# Altium PCB SensoMonitor.PcbDoc
Units mm, origin at the board's own origin, x right, y up, seen from the top; angles counter-clockwise.
Board outline 135 x 78 mm, 2 copper layers (Top Layer, Bottom Layer); 121 components, 76 nets, 476 pads, 31 vias.
Unrouted connection lines stored in the file: 21.
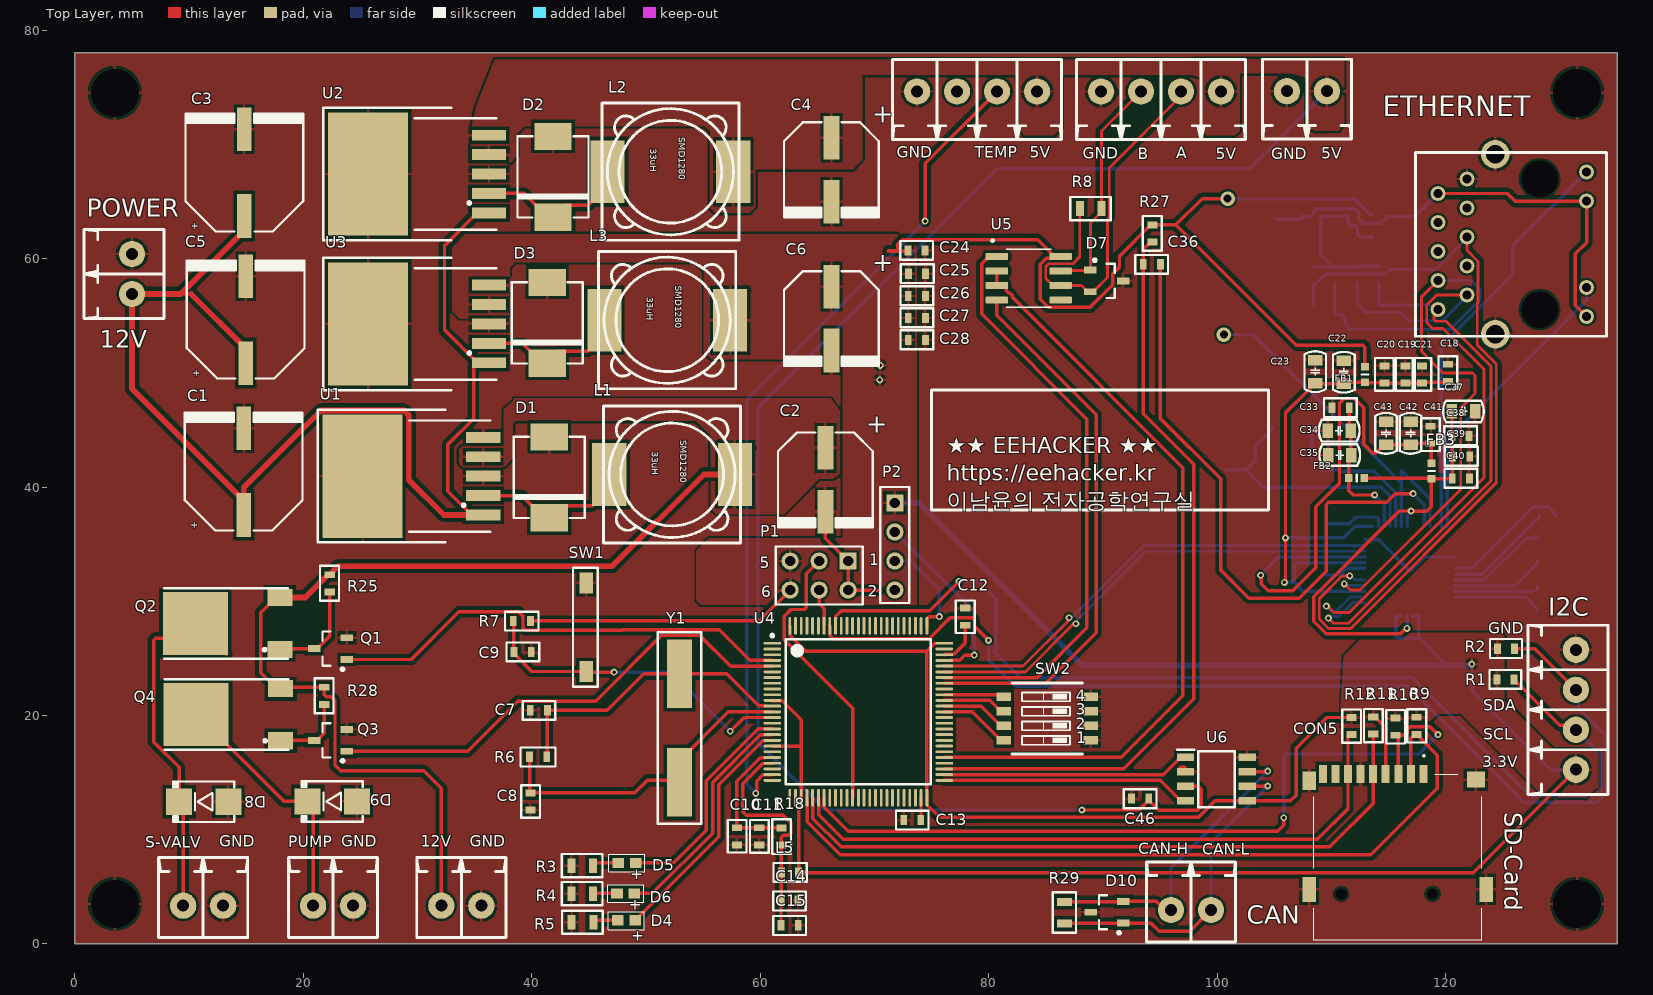
[diagram p0: Top Layer view]
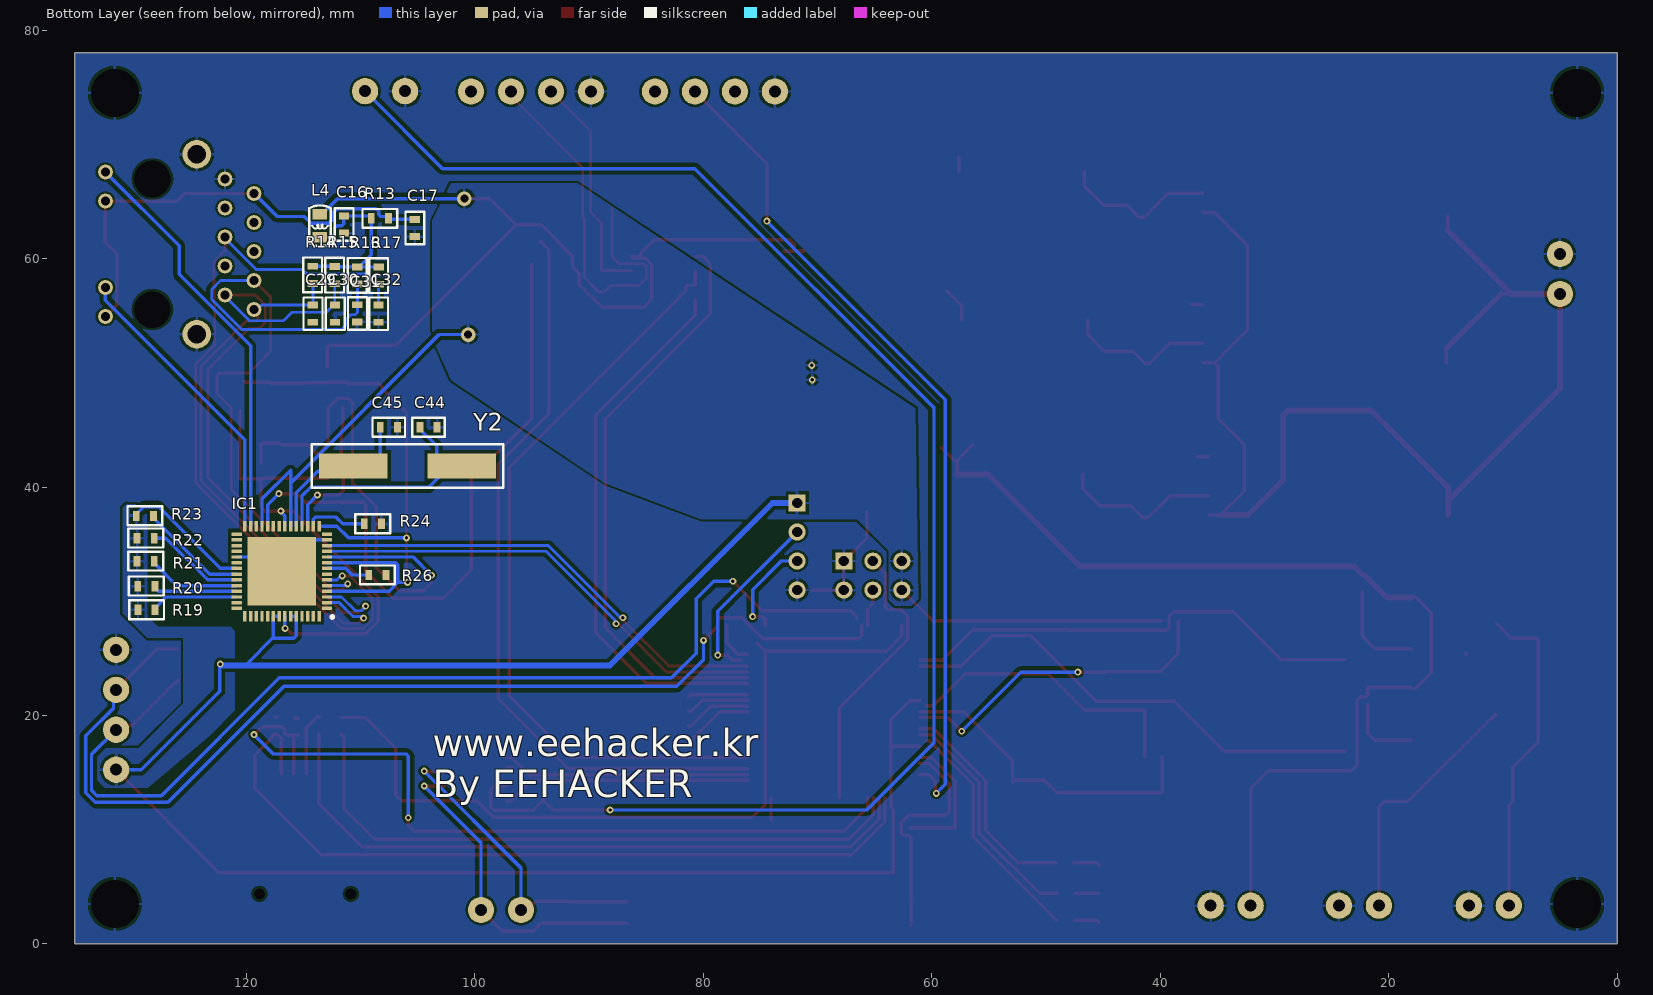
[diagram p1: Bottom Layer view, seen from below]
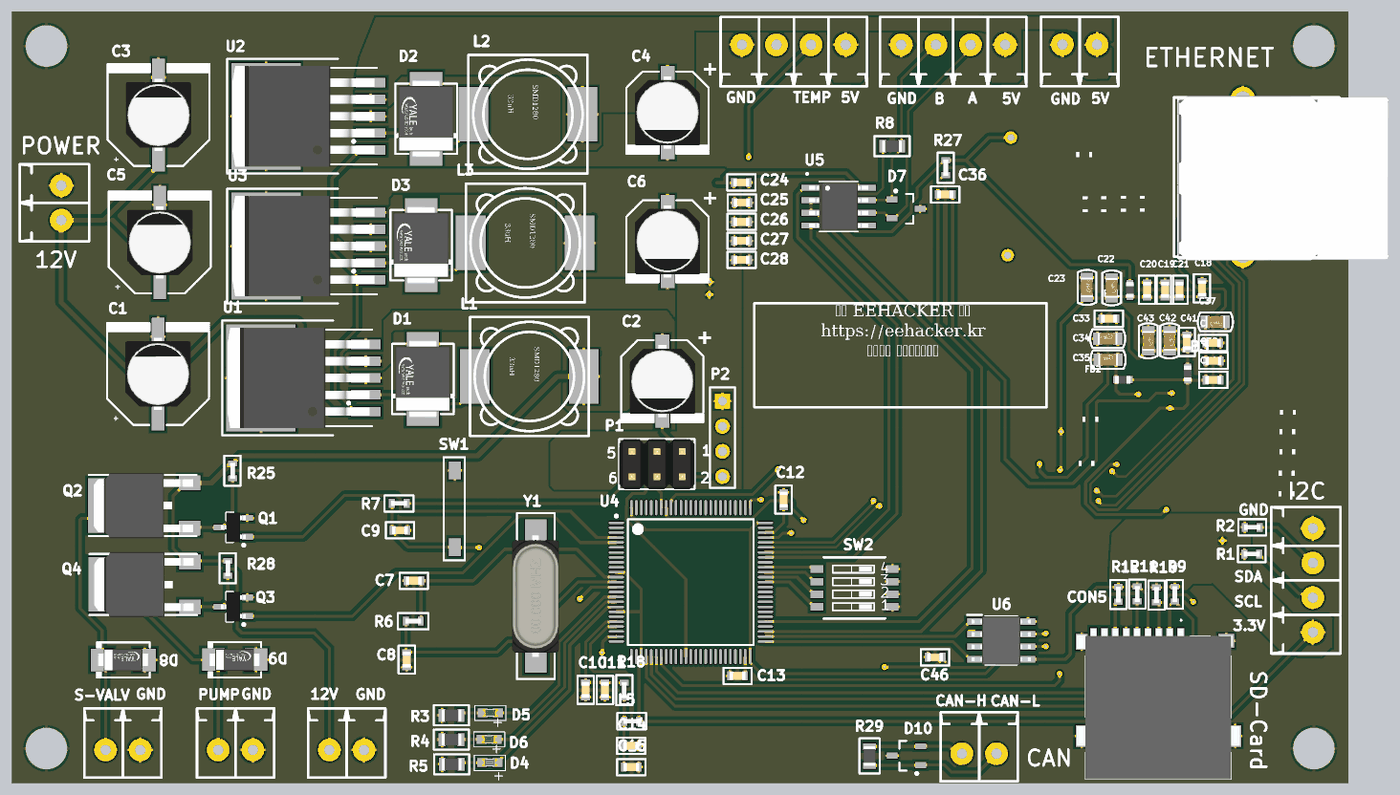
[diagram p2: 3D render of the assembled board from above, using the file's embedded part models]
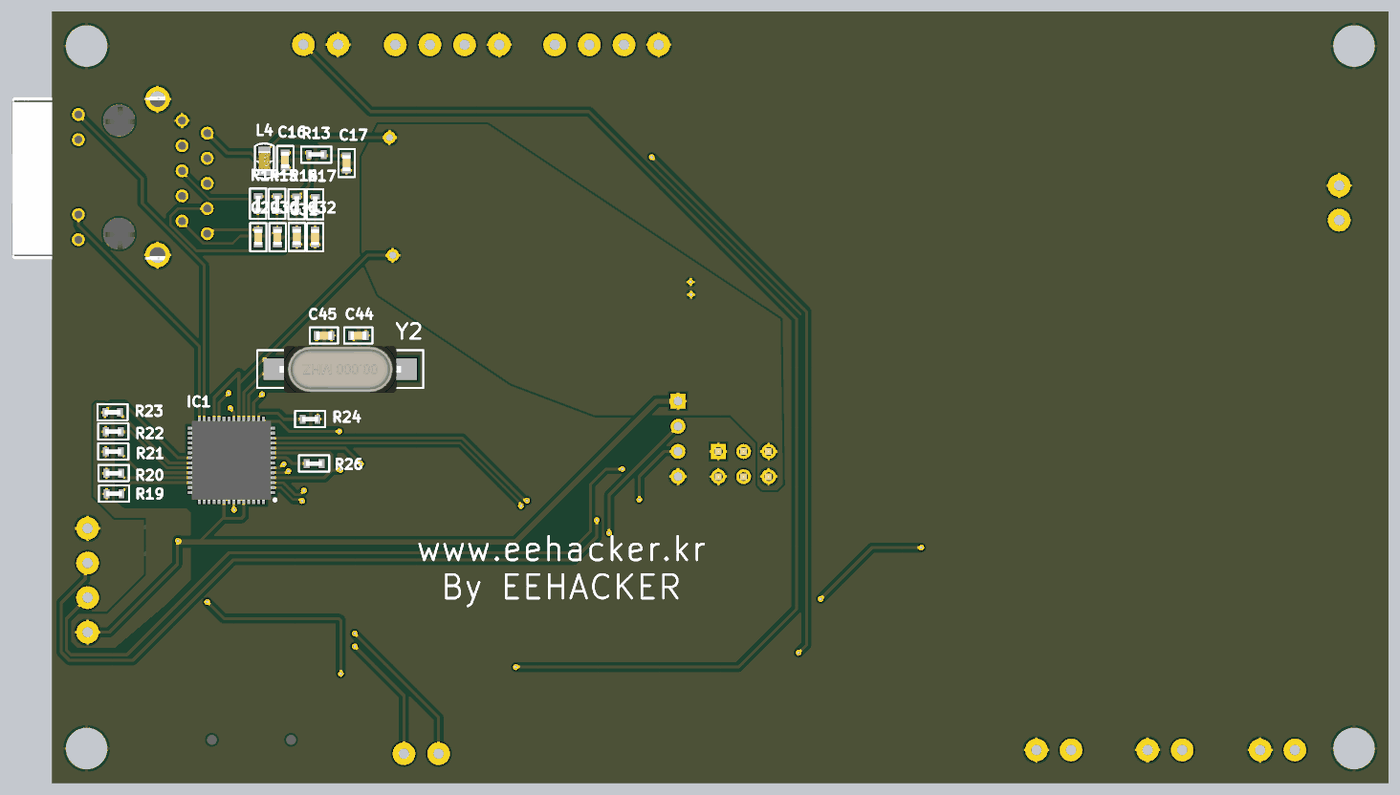
[diagram p3: 3D render of the assembled board from below, using the file's embedded part models]

## Layer stack, top to bottom
Top Solder: solder mask 0.0102, Solder Resist, Dk 3.5
Top Layer: signal copper 0.0356
Dielectric 1: dielectric 0.32, FR-4, Dk 4.8
Bottom Layer: signal copper 0.0356
Bottom Solder: solder mask 0.0102, Solder Resist, Dk 3.5

## Board outline
0,0 135,0 135,78 0,78

## Design rules (kind name [scope] priority, off if disabled: settings)
AssemblyTestPointUsage [All] p1 off:
AssemblyTestpoint [All] p1 off: testpointundercomponent=TRUE minsize=1.016 maxsize=2.54 preferedsize=1.524 minholesize=0 maxholesize=1.016 preferedholesize=0.813 testpointgrid=0.025 usegrid=TRUE gridtolerance=0 allowsidetop=TRUE allowsidebottom=TRUE
Clearance [All] p1: gap=0.2 ignorepadtopadclearanceinfootprint=FALSE except(0: Arc-Hole Track-Hole SMDPad-Hole THPad-Hole Via-Hole Fill-Hole Poly-Hole Region-Hole Text-Hole; 0.3: SMDPad-Fill SMDPad-Poly SMDPad-Region; 0.35: Arc-Fill Arc-Poly Arc-Region Track-Fill Track-Poly Track-Region)
DiffPairsRouting [All] p1: maxlimit=0.254 minlimit=0.12 mostfreqgap=0.12 toplayer_minwidth=0.25 toplayer_maxwidth=0.25 toplayer_prefwidth=0.25 bottomlayer_minwidth=0.25 bottomlayer_maxwidth=0.25 bottomlayer_prefwidth=0.25 maxuncoupledlength=1
FabricationTestPointUsage [All] p1 off: valid=0 allowmultiple=FALSE
FabricationTestpoint [All] p1 off: side=3 testpointundercomponent=TRUE minsize=1.016 maxsize=2.54 preferedsize=1.524 minholesize=0 maxholesize=1.016 preferedholesize=0.813 testpointgrid=0.025 allowsidetop=TRUE allowsidebottom=TRUE usegrid=TRUE gridtolerance=0
PolygonConnect [All] p1: connectstyle=Relief reliefconductorwidth=0.254 reliefentries=4 polygonreliefangle="90 Angle" airgapwidth=0.254
RoutingVias [All] p1: holewidth=0.3 width=0.6 viastyle="Through Hole" minholewidth=0.25 minwidth=0.5 maxholewidth=0.8 maxwidth=1.27
SolderMaskExpansion [All] p1: expansion=0.102 istentingtop=FALSE
Width [All] p1: maxlimit=0.5 minlimit=0.25 preferedwidth=0.3
25 further rules are at their usual default settings.

## Classes and differential pairs
differential pair class ETH: RD TD
net class ETH_IO: RD_N RD_P TD_N TD_P
component class Power: 5V 12V C1 C2 C3 C4 C5 C6 D1 D2 D3 L1 L2 L3 POWER U1 U2 U3
component class MCU: C7 C8 C9 C10 C11 C12 C13 C14 C15 D4 D5 D6 L5 P1 P2 R1 R2 R3 R4 R5 R6 R7 R18 SW1 U4 Y1
component class GPIO_COMM: C46 CON5 D7 D8 D9 D10 Q1 Q2 Q3 Q4 R8 R9 R10 R11 R12 R25 R28 R29 SW2 U5 U6
component class ETHERNET: C16 C17 C18 C19 C20 C21 C22 C23 C24 C25 C26 C27 C28 C29 C30 C31 C32 C33 C34 C35 C36 C37 C38 C39 C40 C41 C42 C43 C44 C45 ETHERNET FB1 FB2 FB3 IC1 L4 R13 R14 R15 R16 R17 R19 R20 R21 R22 R23 R24 R26 R27
differential pair USB: +USB_P -USB_N
differential pair TD: +TD_P -TD_N
differential pair RS485: +RS485_P -RS485_N
differential pair RD: +RD_P -RD_N

## Components (designator, comment, footprint, x,y, rotation, side; value= is the part's Value field where it differs from the comment)
5V "ECH350V_2P" CON2P_ECH350V 106.1,74.65 r180 top (schematic designator CON9)
12V "ECH350V_2P" CON2P_ECH350V 35.575,3.35 r0 top (schematic designator CON10)
C1 "470uF / 25V" CAP470U_25V 14.775,41.35 r180 top value="220uF/35V SMD_D8"
C2 "470uF / 16V" CAP470U_16V 65.7,40.625 r0 top value="220uF/35V SMD_D8"
C3 "470uF / 25V" CAP470U_25V 14.825,67.525 r180 top value="220uF/35V SMD_D8"
C4 "470uF / 16V" CAP470U_16V 66.225,67.775 r0 top value="220uF/35V SMD_D8"
C5 "470uF / 25V" CAP470U_25V 14.95,54.65 r180 top value="220uF/35V SMD_D8"
C6 "470uF / 16V" CAP470U_16V 66.225,54.75 r0 top value="220uF/35V SMD_D8"
C7 "cap 22p 0603 ceramic" CAP22p_0603_ceramic 40.615,20.46 r0 top
C8 "cap 22p 0603 ceramic" CAP22p_0603_ceramic 39.875,12.475 r90 top
C9 "cap, 0.1u 0603" CAP0.1u_0603_ceramic 39.2,25.55 r180 top
C10 "1u, 0603, ceramic" CAP1u_0603_ceramic 57.95,9.425 r90 top
C11 "cap, 0.1u 0603" CAP0.1u_0603_ceramic 59.9,9.425 r90 top
C12 "2.2u" CAP2.2U_0603 77.95,28.65 r270 top
C13 "2.2u" CAP2.2U_0603 73.3,10.85 r0 top
C14 "1u, 0603, ceramic" CAP1u_0603_ceramic 62.55,3.775 r0 top
C15 "cap, 0.1u 0603" CAP0.1u_0603_ceramic 62.575,1.625 r0 top
C16 "4.7uF" CAP2.2U_0603 111.45,62.975 r90 bottom
C17 "22nF" CAP2.2U_0603 105.25,62.675 r90 bottom
C18 "0.1uF/50V" CAP0.1u_0603_ceramic 120.2,50 r270 top
C19 "0.1uF/50V" CAP0.1u_0603_ceramic 116.475,49.85 r270 top
C20 "0.1uF/50V" CAP0.1u_0603_ceramic 114.65,49.85 r270 top
C21 "0.1uF/50V" CAP0.1u_0603_ceramic 117.925,49.85 r270 top
C22 "1uF/50V" C-2012 111.075,50.05 r90 top
C23 "10uF/50V" C-2012 108.575,50.1 r90 top
C24 "0.1uF/50V" CAP0.1u_0603_ceramic 73.675,60.7 r180 top
C25 "0.1uF/50V" CAP0.1u_0603_ceramic 73.725,58.663 r180 top
C26 "0.1uF/50V" CAP0.1u_0603_ceramic 73.7,56.725 r180 top
C27 "0.1uF/50V" CAP0.1u_0603_ceramic 73.7,54.8 r180 top
C28 "0.1uF/50V" CAP0.1u_0603_ceramic 73.7,52.875 r180 top
C29 "15pF" CAP2.2U_0603 114.175,55.175 r90 bottom
C30 "15pF" CAP2.2U_0603 112.225,55.175 r90 bottom
C31 "15pF" CAP2.2U_0603 110.275,55.2 r90 bottom
C32 "15pF" CAP2.2U_0603 108.425,55.175 r90 bottom
C33 "0.1uF/50V" CAP0.1u_0603_ceramic 110.8,46.95 r0 top
C34 "1uF/50V" C-2012 110.675,44.925 r180 top
C35 "10uF/50V" C-2012 110.725,42.8 r180 top
C36 "0.1uF/50V" CAP0.1u_0603_ceramic 94.275,59.5 r0 top
C37 "1uF/50V" C-2012 121.55,46.625 r0 top
C38 "0.1uF/50V" CAP0.1u_0603_ceramic 121.3,44.475 r180 top
C39 "0.1uF/50V" CAP0.1u_0603_ceramic 121.35,42.675 r180 top
C40 "0.1uF/50V" CAP0.1u_0603_ceramic 121.325,40.75 r180 top
C41 "0.1uF/50V" CAP0.1u_0603_ceramic 118.675,44.575 r270 top
C42 "1uF/50V" C-2012 116.925,44.7 r90 top
C43 "10uF/50V" C-2012 114.775,44.7 r90 top
C44 "33pF" CAP33P_0603 104.05,45.225 r0 bottom
C45 "33pF" CAP33P_0603 107.525,45.225 r0 bottom
C46 "0.1uF/50V" CAP0.1u_0603_ceramic 93.25,12.725 r0 top
CAN "ECH350V_2P" CON2P_ECH350V 99.45,2.975 r0 top (schematic designator CON11)
CON1 "ECH350V_4P" CON4P_ECH350V 78.975,74.625 r180 top
CON4 "ECH350V_4P" CON4P_ECH350V 95.075,74.625 r180 top
CON5 "MR01A-01211" MR01A-01211 115.795,7.625 r0 top
D1 "SK56C" DIODE_SK56C 41.525,40.85 r270 top
D2 "SK56C" DIODE_SK56C 41.85,67.15 r270 top
D3 "SK56C" DIODE_SK56C 41.35,54.375 r270 top
D4 "led 0603 blue" LED0603_BLUE 48.275,2.075 r180 top
D5 "LED" LED0603_GREEN 48.325,7.1 r180 top
D6 "LED" LED0603_GREEN 48.215,4.425 r180 top
D7 "SM712" SM712 90.325,58.05 r0 top
D8 "SS14" DO-214AC 11.275,12.45 r180 top
D9 "SS14" DO-214AC 22.525,12.475 r180 top
D10 "SM712" SM712 90.35,2.775 r180 top
ETHERNET "RJ-45Connector" [RJ45]24G-1835GYD2NL 125.825,61.25 r270 top (schematic designator CON3)
FB1 "BLM18PG221SN1D" BLM18PG221SN1D 112.925,49.85 r270 top
FB2 "BLM18PG221SN1D" BLM18PG221SN1D 112.2,40.775 r180 top
FB3 "BLM18PG221SN1D" BLM18PG221SN1D 118.75,41.4 r90 top
GND "ECH350V_2P" CON2P_ECH350V 24.35,3.35 r0 top (schematic designator CON8)
GND "ECH350V_2P" CON2P_ECH350V 12.975,3.35 r0 top (schematic designator CON6)
I2C "ECH350V_4P" CON4P_ECH350V 131.4,20.5 r90 top (schematic designator CON2)
IC1 "LAN9500AI-ABZJ" LAN9500AI-ABZJ 116.875,32.625 r0 bottom
L1 "SMD1280-330MR" IND33UCOIL 52.275,41.1 r270 top
L2 "SMD1280-330MR" IND33UCOIL 52.125,67.6 r270 top
L3 "SMD1280-330MR" IND33UCOIL 51.85,54.6 r270 top
L4 "10uH" IND10UCOIL 113.55,62.875 r90 bottom
L5 "FerriteBead" FERRITEBD1608_102 62.6,6.3 r180 top
P1 "3x2" HDR3X2 65.15,32.25 r180 top
P2 "header4x1" HEADER4X1 71.775,38.605 r270 top
POWER "ECH350V_2P" CON2P_ECH350V 5,60.4 r90 top (schematic designator CON7)
Q1 "KRC105S" NPN_KRC105S 22.375,25.85 r180 top
Q2 "AOD417" P-MOSFET_AOD417 14.25,28.05 r90 top
Q3 "KRC105S" NPN_KRC105S 22.375,17.825 r180 top
Q4 "AOD417" P-MOSFET_AOD417 14.3,20.075 r90 top
R1 "4.7k" RES4.7k_0603 125.225,23.15 r180 top
R2 "4.7k" RES4.7k_0603 125.275,25.85 r180 top
R3 "Resistor 1k 0805" RES1K_0805 44.4,6.85 r0 top
R4 "Resistor 1k 0805" RES1K_0805 44.4,4.4 r0 top
R5 "Resistor 1k 0805" RES1K_0805 44.425,1.9 r0 top
R6 "resistor 10M 0603" RES10M_0603 40.55,16.375 r0 top
R7 "R 10k 0603" RES10K_0603 39.125,28.275 r0 top
R8 "120" RES120_0805 88.9,64.375 r180 top
R9 "R 10k 0603" RES10K_0603 117.45,19.1 r90 top
R10 "R 10k 0603" RES10K_0603 115.6,19.025 r90 top
R11 "R 10k 0603" RES10K_0603 113.65,19.125 r90 top
R12 "R 10k 0603" RES10K_0603 111.75,19.075 r90 top
R13 "10" RES20K_0603 108.304,63.529 r180 bottom
R14 "49.9" RES20K_0603 114.175,58.575 r270 bottom
R15 "49.9" RES20K_0603 112.25,58.55 r270 bottom
R16 "49.9" RES20K_0603 110.275,58.525 r270 bottom
R17 "49.9" RES20K_0603 108.4,58.5 r270 bottom
R18 "RES47" RES47_0603 61.85,9.4 r90 top
R19 "10K" RES20K_0603 128.729,29.246 r0 bottom
R20 "10K" RES20K_0603 128.754,31.321 r0 bottom
R21 "10K" RES20K_0603 128.804,33.496 r0 bottom
R22 "10K" RES20K_0603 128.804,35.521 r0 bottom
R23 "10K" RES20K_0603 128.879,37.471 r0 bottom
R24 "RES12K" RES20K_0603 108.925,36.775 r0 bottom
R25 "RES20K" RES20K_0603 22.3,31.575 r270 top
R26 "RES12K" RES20K_0603 108.525,32.3 r0 bottom
R27 "10K" RES20K_0603 94.325,62.2 r270 top
R28 "RES20K" RES20K_0603 21.825,21.725 r270 top
R29 "120" RES120_0805 86.625,2.75 r90 top
SW1 "NW3-A06-B3, push, tact" SW_TACT1 44.75,27.725 r90 top
SW2 "DIP SW 04P" "DIP SW 04P SMD (KHS42)" 85.115,19.73 r180 top
U1 "LM2596-12" LM2596SX 35.75,40.95 r90 top
U2 "LM2596-5" LM2596SX 36.25,67.4 r90 top
U3 "LM2596-3.3" LM2596SX 36.25,54.275 r90 top
U4 "STM32F407VGT6J" STM-LQFP100_L 68.58,20.32 r0 top
U5 "rs485 transciver SN65HVD12DR" RS485_Transciver_SN65HVD12DR 83.5,58.275 r0 top
U6 "MCP2562" [CAN]MCP2562 99.925,14.425 r0 top
Y1 "XTAL 8M" XTAL_SMD_8M 52.925,18.9 r90 top
Y2 "XTAL 25M" XTAL_SMD_8M 105.875,41.85 r0 bottom

## Footprints (in the part's own frame and the unit in brackets; to place one, negate y for a bottom-side part, rotate by r counter-clockwise, add the part's x,y. Pads: shape width x height; smd on the part's side, far side on the other; paste and mask are expansions set on the pad)
[CAN]MCP2562 [mm]
  rect 1.5x0.65 smd: 1(-2.7,1.905) 2(-2.7,0.635) 3(-2.7,-0.635) 4(-2.7,-1.905) 5(2.7,-1.905) 6(2.7,-0.635) 7(2.7,0.635) 8(2.7,1.905)
  silkscreen extent -3.45,-2.45 1.6,2.58, body extent -3,-2.45 3,2.45, height 1.75
[RJ45]24G-1835GYD2NL [mm]
  round 1.3 hole 0.8: L1(6.325,6.505) L2(3.785,6.505) L3(-3.785,6.505) L4(-6.325,6.505) R1(5.715,-6.505) R2(4.445,-3.965) R3(3.175,-6.505) R4(1.905,-3.965) R5(0.635,-6.505) R6(-0.635,-3.965) R7(-1.905,-6.505) R8(-3.175,-3.965) R9(-4.445,-6.505) R10(-5.715,-3.965)
  round 2.5 hole 1.6: S(-7.875,-1.495) S(7.875,-1.495)
  round 1.3 hole 3.2: ""(-5.715,2.395) ""(5.715,2.395)
  silkscreen extent -8.05,-8.45 8.05,8.25, body extent -8.17,-8.14 8.43,13.21, height 13.59
BLM18PG221SN1D [mm]
  rect 0.65x0.7 smd: 1(-0.675,0) 2(0.675,0)
  silkscreen extent 0,-0.3 0,0.3, body extent -0.8,-0.4 0.8,0.4, height 0.8
C-2012 [mil]
  rect 36x50 smd: 1(-40,0) 2(40,0)
  silkscreen extent -70,-37 70,37, body extent -39,-25 39,24, height 48
CAP0.1u_0603_ceramic [mm]
  rect 0.6x0.9 smd: 1(-0.75,0) 2(0.75,0)
  silkscreen extent -1.45,-0.84 1.42,0.81, body extent -0.8,-0.4 0.8,0.4, height 0.8
CAP1u_0603_ceramic [mm]
  rect 0.6x0.9 smd: 1(-0.75,0) 2(0.75,0)
  silkscreen extent -1.42,-0.84 1.42,0.81, body extent -0.8,-0.4 0.8,0.4, height 0.8
CAP2.2U_0603 [mm]
  rect 0.6x0.9 smd: 1(-0.75,0) 2(0.75,0)
  silkscreen extent -1.42,-0.84 1.42,0.81, body extent -0.8,-0.4 0.8,0.4, height 0.8
CAP22p_0603_ceramic [mm]
  rect 0.6x0.9 smd: 1(-0.75,0) 2(0.75,0)
  silkscreen extent -1.42,-0.84 1.42,0.81, body extent -0.8,-0.4 0.8,0.4, height 0.8
CAP33P_0603 [mm]
  rect 0.6x0.9 smd: 1(-0.75,0) 2(0.75,0)
  silkscreen extent -1.42,-0.84 1.42,0.81, body extent -0.8,-0.4 0.8,0.4, height 0.8
CAP470U_16V [mm]
  rect 1.397x3.81 smd: 1(0,2.8) 2(0,-2.8)
  silkscreen extent -4.15,-4.15 4.15,4.15, body extent -3.3,-3.65 3.3,3.65, height 7.7
CAP470U_25V [mm]
  rect 1.27x3.81 smd: 1(0,3.8) 2(0,-3.8)
  silkscreen extent -5.15,-5.15 5.15,5.15, body extent -3.3,-3.65 3.3,3.65, height 7.7
CON2P_ECH350V [mm]
  round 2.3 hole 1.05: 1(-3.5,0) 2(0,0)
  silkscreen extent -5.65,-2.8 2.15,4.2
CON4P_ECH350V [mm]
  round 2.3 hole 1.05: 1(-5.25,0) 2(-1.75,0) 3(1.75,0) 4(5.25,0)
  silkscreen extent -7.4,-2.8 7.4,4.2
DIODE_SK56C [mm]
  rect 2.383x3.277 smd: 1(-3.54,0) 2(3.54,0)
  silkscreen extent -3.55,-3.11 3.55,3.11, body extent -3.89,-2.8 3.89,2.78, height 1.8
"DIP SW 04P SMD (KHS42)" [mm]
  rect 1.27x0.76 smd: 1(-3.81,1.905) 2(-3.81,0.635) 3(-3.81,-0.635) 4(-3.81,-1.905) 5(3.81,-1.905) 6(3.81,-0.635) 7(3.81,0.635) 8(3.81,1.905)
  silkscreen extent -3.1,-3.1 3.1,3.1
DO-214AC [mil]
  rect 90x90 smd: A(-85,0) K(85,0)
  silkscreen extent -105,-70 105,70, body extent -100,-44 102,44, height 77
FERRITEBD1608_102 [mm]
  rect 0.6x0.9 smd: 1(-0.75,0.051) 2(0.75,0.051)
  silkscreen extent -1.47,-0.79 1.45,0.86, body extent -0.8,-0.21 0.8,0.3, height 0.43
HDR3X2 [mm]
  rect 1.5x1.5 hole 0.9: 1(-2.54,-1.27)
  round 1.5 hole 0.9: 2(-2.54,1.27) 3(0,-1.27) 4(0,1.27) 5(2.54,-1.27) 6(2.54,1.27)
  silkscreen extent -3.81,-2.54 3.81,2.54, body extent -3.81,-2.54 3.81,2.54, height 9.2
HEADER4X1 [mm]
  rect 1.5x1.5 hole 0.9: 1(0,0)
  round 1.5 hole 0.9: 2(2.54,0) 3(5.08,0) 4(7.62,0)
  silkscreen extent -1.4,-1.27 8.76,1.27
IND10UCOIL [mil]
  rect 36x50 smd: 1(-40,0) 2(40,0)
  silkscreen extent -70,-37 70,37, body extent -39,-25 39,24, height 48
IND33UCOIL [mm]
  rect 5.5x3 smd: 1(0,5.5) 2(0,-5.5)
  silkscreen extent -6,-6 6,6
LAN9500AI-ABZJ [mm]
  rect 0.9x0.3 smd: 1(-3.95,3.25) 2(-3.95,2.75) 3(-3.95,2.25) 4(-3.95,1.75) 5(-3.95,1.25) 6(-3.95,0.75) 7(-3.95,0.25) 8(-3.95,-0.25) 9(-3.95,-0.75) 10(-3.95,-1.25) 11(-3.95,-1.75) 12(-3.95,-2.25) 13(-3.95,-2.75) 14(-3.95,-3.25) 29(3.95,-3.25) 30(3.95,-2.75) 31(3.95,-2.25) 32(3.95,-1.75) 33(3.95,-1.25) 34(3.95,-0.75) 35(3.95,-0.25) 36(3.95,0.25) 37(3.95,0.75) 38(3.95,1.25) 39(3.95,1.75) 40(3.95,2.25) 41(3.95,2.75) 42(3.95,3.25)
  rect 0.3x0.9 smd: 15(-3.25,-3.95) 16(-2.75,-3.95) 17(-2.25,-3.95) 18(-1.75,-3.95) 19(-1.25,-3.95) 20(-0.75,-3.95) 21(-0.25,-3.95) 22(0.25,-3.95) 23(0.75,-3.95) 24(1.25,-3.95) 25(1.75,-3.95) 26(2.25,-3.95) 27(2.75,-3.95) 28(3.25,-3.95) 43(3.25,3.95) 44(2.75,3.95) 45(2.25,3.95) 46(1.75,3.95) 47(1.25,3.95) 48(0.75,3.95) 49(0.25,3.95) 50(-0.25,3.95) 51(-0.75,3.95) 52(-1.25,3.95) 53(-1.75,3.95) 54(-2.25,3.95) 55(-2.75,3.95) 56(-3.25,3.95)
  rect 6x6 smd: 57(0,0)
  silkscreen extent -4.52,3.88 -4.27,4.12, body extent -4.05,-4.05 4.05,4.05, height 1
LED0603_BLUE [mil]
  rect 40x35 smd: A(-29.92,0) K(29.92,0)
  silkscreen extent -62,-30 62,32, body extent -31,-16 31,16, height 24
LED0603_GREEN [mil]
  rect 40x35 smd: A(-29.92,0) K(29.92,0)
  silkscreen extent -62,-30 62,30, body extent -31,-16 31,16, height 24
LM2596SX [mm]
  rect 0.95x3 smd: 1(-3.4,0) 2(-1.7,0) 3(0,0) 4(1.7,0) 5(3.4,0)
  rect 10.8x7 smd: 3(0,10.575)
  silkscreen extent -5.8,-0.63 5.8,14.5, body extent -5.08,-0.38 5.08,13.97, height 4.57
MR01A-01211 [mm]
  rect 0.7x1.6 smd: 1(2.25,7.25) 2(1.15,7.25) 3(0.05,7.25) 4(-1.05,7.25) 5(-2.15,7.25) 6(-3.25,7.25) 7(-4.35,7.25) 8(-5.45,7.25) 9(-6.55,7.25)
  round 0.5 hole 1 unplated: MH1(-4.95,-3.25) MH2(3.05,-3.25)
  rect 1.2x1.6 smd: MP1(-7.75,6.65)
  rect 1.2x2.2 smd: MP2(-7.75,-2.85) MP3(7.75,-2.85)
  rect 1.6x1.4 smd: MP4(6.85,6.75)
  silkscreen extent -7.35,-7.25 7.35,8.9, body extent -8.23,-7.25 8.23,7.98, height 2
NPN_KRC105S [mm]
  rect 1.1x0.6 smd: B(-1.431,0.95) C(1.431,0) E(-1.431,-0.95)
  silkscreen extent -1.18,-1.5 0.7,1.92, body extent -1.25,-1.5 1.25,1.5, height 1.01
P-MOSFET_AOD417 [mm]
  rect 5.5x5.7 smd: D(0,3.7)
  rect 1.5x2.2 smd: G(-2.285,-3.7) S(2.285,-3.7)
  silkscreen extent -3.09,-4.4 3.09,6.45, body extent -3.3,-4.06 3.3,5.97, height 2.41
RES1K_0805 [mm]
  rect 0.7x1.3 smd: 1(-0.95,0) 2(0.95,0)
  silkscreen extent -1.78,-1.02 1.78,1.02, body extent -0.98,-0.6 1.02,0.6, height 0.71
RES4.7k_0603 [mm]
  rect 0.6x0.9 smd: 1(-0.75,0) 2(0.75,0)
  silkscreen extent -1.4,-0.84 1.4,0.81, body extent -0.8,-0.26 0.8,0.25, height 0.43
RES10K_0603 [mm]
  rect 0.6x0.9 smd: 1(-0.75,0) 2(0.75,0)
  silkscreen extent -1.47,-0.84 1.45,0.81, body extent -0.8,-0.26 0.8,0.25, height 0.43
RES10M_0603 [mm]
  rect 0.6x0.9 smd: 1(-0.75,0) 2(0.75,0)
  silkscreen extent -1.55,-0.84 1.52,0.81, body extent -0.8,-0.26 0.8,0.25, height 0.43
RES20K_0603 [mm]
  rect 0.6x0.9 smd: 1(-0.75,0) 2(0.75,0)
  silkscreen extent -1.52,-0.84 1.52,0.81, body extent -0.8,-0.26 0.8,0.25, height 0.43
RES47_0603 [mm]
  rect 0.6x0.9 smd: 1(-0.75,0) 2(0.75,0)
  silkscreen extent -1.52,-0.84 1.52,0.81, body extent -0.8,-0.26 0.8,0.25, height 0.43
RES120_0805 [mm]
  rect 0.7x1.3 smd: 1(-0.966,0) 2(0.934,0)
  silkscreen extent -1.78,-1.02 1.78,1.02, body extent -1,-0.6 1,0.6, height 0.71
RS485_Transciver_SN65HVD12DR [mm]
  rrect25% 1.97x0.6 smd: 1(-2.794,1.905) 2(-2.794,0.635) 3(-2.794,-0.635) 4(-2.794,-1.905) 5(2.794,-1.905) 6(2.794,-0.635) 7(2.794,0.635) 8(2.794,1.905)
  silkscreen extent -3.27,-2.52 1.95,3.4, body extent -3,-2.45 3,2.45, height 1.75
SM712 [mm]
  rect 1.1x0.6 smd: 1(-1.431,0.95) 2(-1.431,-0.95) 3(1.431,0)
  silkscreen extent -1.17,-1.5 0.7,1.92, body extent -0.7,-1.5 0.7,1.5, height 1.12
STM-LQFP100_L [mm] "Thin QFP, 100-Leads, Body 14x14mm, Pitch 0.5mm, IPC High Density"
  oval 1.55x0.25 smd: 1(-7.525,6) 2(-7.525,5.5) 3(-7.525,5) 4(-7.525,4.5) 5(-7.525,4) 6(-7.525,3.5) 7(-7.525,3) 8(-7.525,2.5) 9(-7.525,2) 10(-7.525,1.5) 11(-7.525,1) 12(-7.525,0.5) 13(-7.525,0) 14(-7.525,-0.5) 15(-7.525,-1) 16(-7.525,-1.5) 17(-7.525,-2) 18(-7.525,-2.5) 19(-7.525,-3) 20(-7.525,-3.5) 21(-7.525,-4) 22(-7.525,-4.5) 23(-7.525,-5) 24(-7.525,-5.5) 25(-7.525,-6) 51(7.525,-6) 52(7.525,-5.5) 53(7.525,-5) 54(7.525,-4.5) 55(7.525,-4) 56(7.525,-3.5) 57(7.525,-3) 58(7.525,-2.5) 59(7.525,-2) 60(7.525,-1.5) 61(7.525,-1) 62(7.525,-0.5) 63(7.525,0) 64(7.525,0.5) 65(7.525,1) 66(7.525,1.5) 67(7.525,2) 68(7.525,2.5) 69(7.525,3) 70(7.525,3.5) 71(7.525,4) 72(7.525,4.5) 73(7.525,5) 74(7.525,5.5) 75(7.525,6)